# Altium PCB 11BRANMB10H3_20171027.pcbdoc (part 6 of 7) (continued)
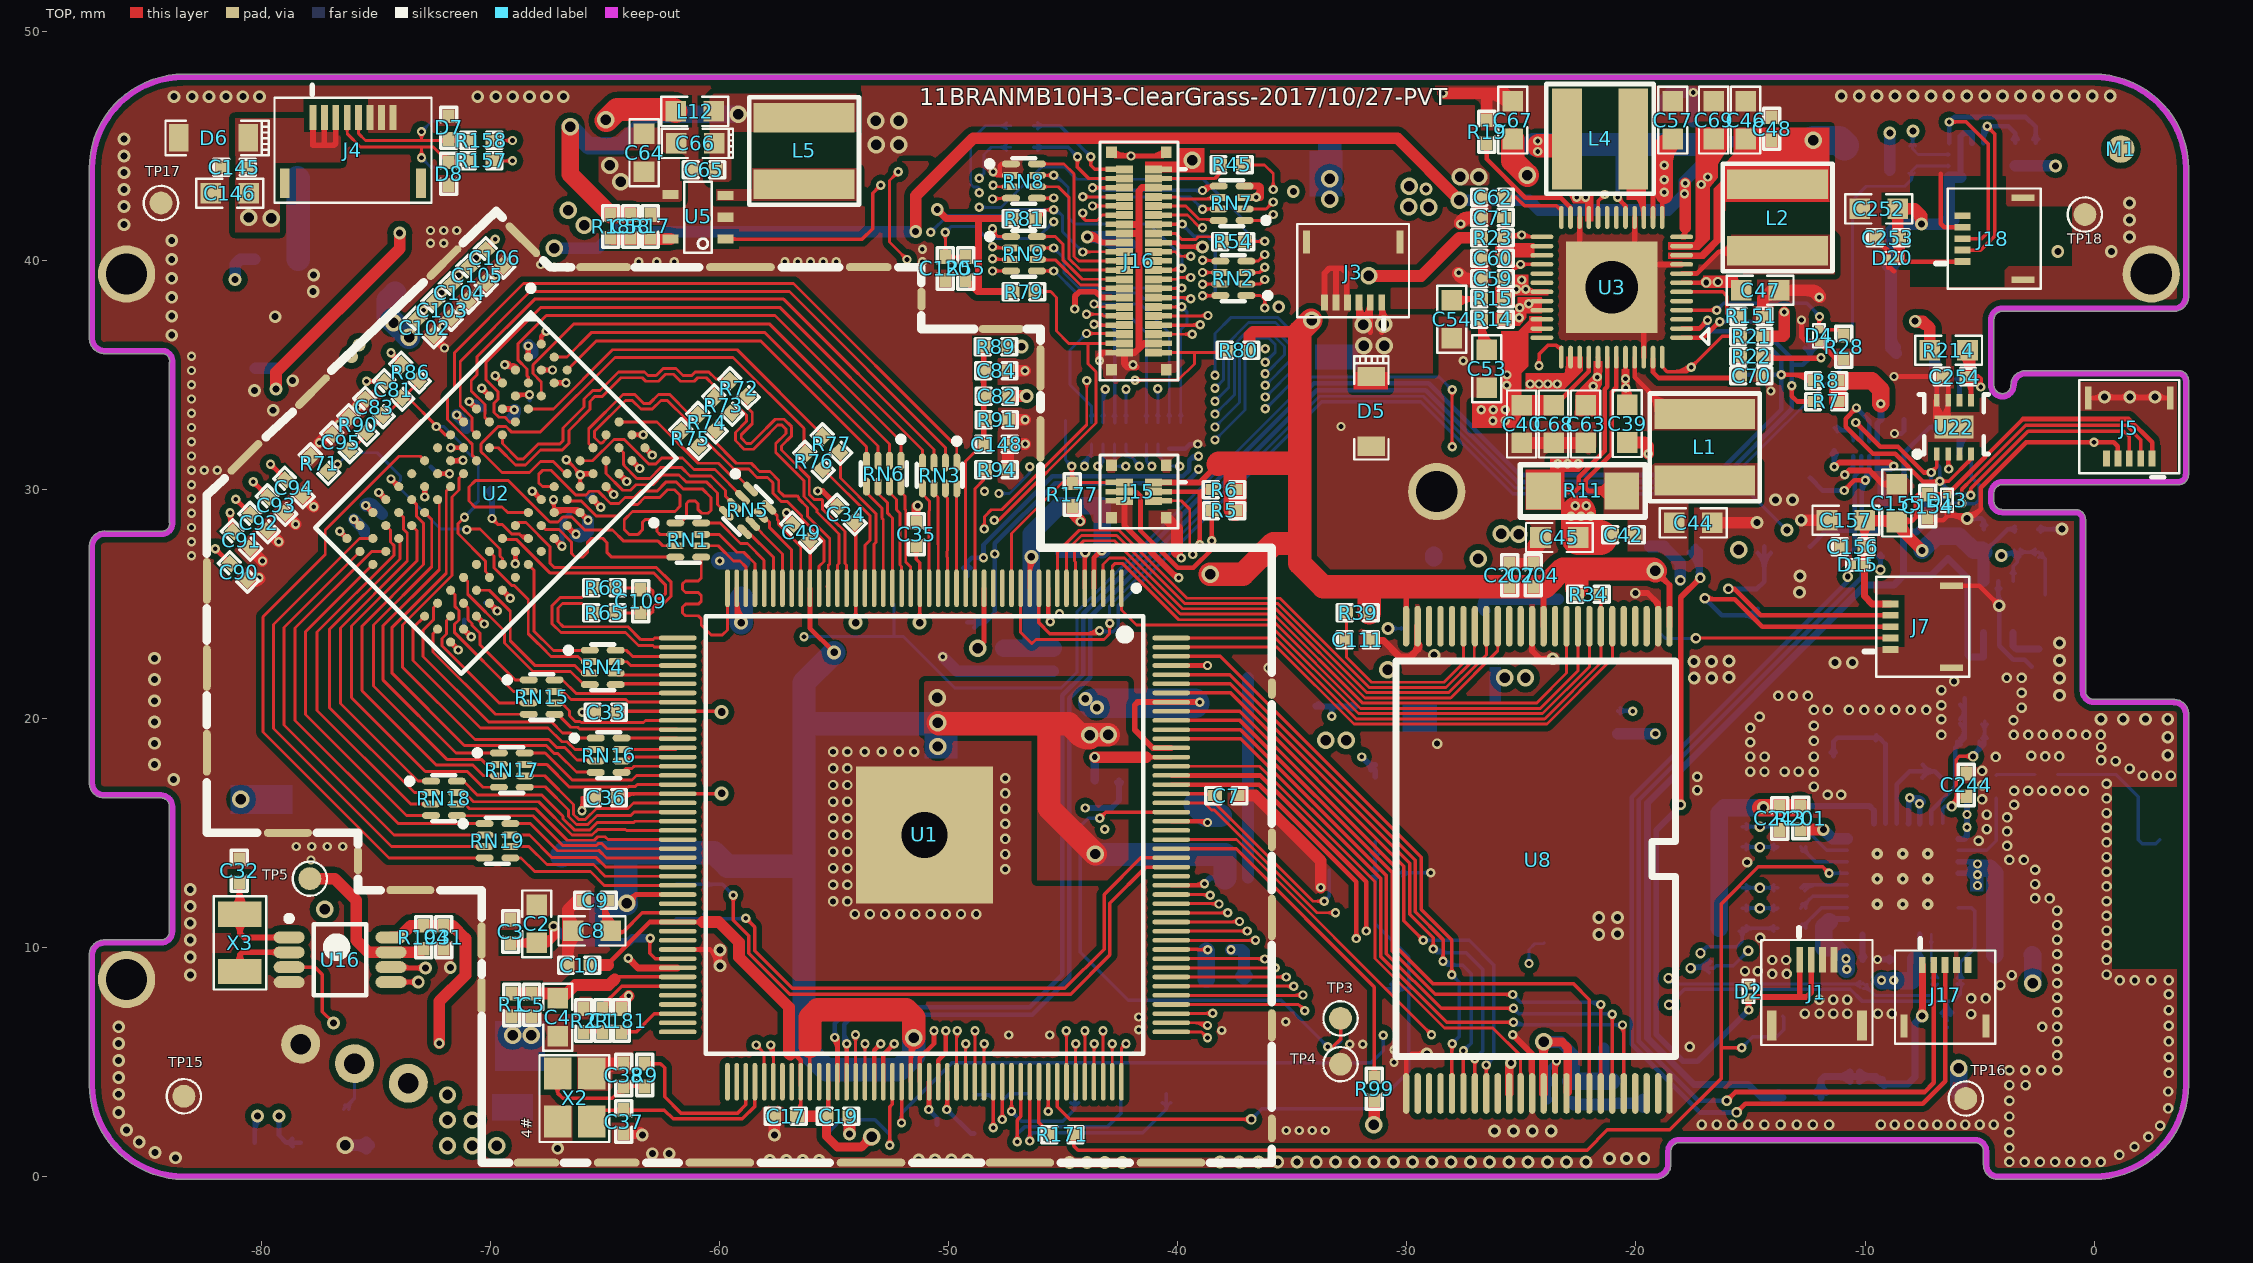
[diagram p0: TOP view]
## Nets (pads, with @x,y where several pads share a name; then routed paths per layer and width w, separated by ;. In a path a pad name is that pad's centre, name@x,y a point inside that pad or via, vN(x,y) a via of type N, cw(c..) or ccw(c..) an arc to the next point about the centre after c; other vN are vias at no path point) (continued)
TWI1-SDA: J15.4 R5.2 TP29.1 U1.106 U16.5 | length 87
  TOP w0.127: J15.4@-42.925,29.9 J15.4@-42.335,29.9 ; J15.4@-42.78,29.86 cw(c-42.684,29.764) -42.684,29.9 cw(c-42.684,30.036) J15.4@-42.78,29.94
  TOP w0.203: U16.5@-74.318,8.524 U16.5@-74.356,8.485 -74.355,8.484 v3(-73.164,8.484) ; U16.5@-73.829,8.373 cw(c-73.563,8.107) -73.563,8.484 ; U16.5@-73.829,8.597 ccw(c-73.555,8.872) -73.555,8.484 ; v3@-73.29,8.358 ccw(c-73.593,8.054) -73.593,8.484 ccw(c-73.593,8.913) v3@-73.29,8.609 ; U1.106@-52.865,4.133 -52.865,5.32 v1(-52.386,5.799) ; v1@-52.488,5.799 cw(c-52.733,5.799) -52.56,5.626 cw(c-52.386,5.452) v1@-52.386,5.697 ; J15.4@-42.335,29.9 -41.818,29.9 -41.633,29.716 -41.633,28.189 -40.013,26.568 -39.321,26.568 -38.518,27.371 v1(-38.518,27.758) -38.518,29.119 R5.2@-38.51,29.127 ; R5.2@-38.636,28.952 cw(c-38.92,28.668) -38.518,28.668 ; v1@-38.59,27.686 cw(c-38.763,27.513) -38.518,27.513 cw(c-38.273,27.513) v1@-38.446,27.686 ; v1@-38.59,27.83 ccw(c-38.763,28.003) -38.518,28.003 ccw(c-38.273,28.003) v1@-38.446,27.83 ; -38.518,28.73 cw(c-38.203,28.73) R5.2@-38.426,28.952
  Singal w0.203: v3(-73.164,8.484) -72.666,8.484 -68.979,4.796 -53.25,4.796 -52.386,5.66 v1(-52.386,5.799) -52.386,7.145 -51.916,7.616 -48.374,7.616 -46.762,9.228 -46.762,21.857 -47.362,22.457 -47.362,26.544 v1(-47.992,27.174) ; v3@-73.038,8.358 cw(c-72.735,8.054) -72.735,8.484 cw(c-72.735,8.913) v3@-73.038,8.609 ; -52.658,5.388 ccw(c-53.069,5.799) v1@-52.488,5.799 ; v1@-52.458,5.871 ccw(c-52.631,6.044) -52.386,6.044 ccw(c-52.141,6.044) v1@-52.314,5.871 ; v1@-47.992,27.072 cw(c-47.992,26.827) -47.819,27 cw(c-47.645,27.174) v1@-47.89,27.174 ; v1(-39.102,30.882) -38.67,30.882 -38.518,30.73 v1(-38.518,27.758) ; v1@-39.03,30.81 cw(c-38.857,30.637) -38.857,30.882 cw(c-38.857,31.127) v1@-39.03,30.954 ; v1@-38.59,27.83 ccw(c-38.763,28.003) -38.518,28.003 ccw(c-38.273,28.003) v1@-38.446,27.83
  BOTTOM w0.203: TP29.1@-49.2,24.2 -48.405,24.2 ; TP29.1@-48.881,23.962 cw(c-48.405,23.606) -48.405,24.2 ; TP29.1@-48.881,24.438 ccw(c-48.405,24.794) -48.405,24.2 ; v1@-48.064,27.102 cw(c-48.237,26.928) -47.992,26.928 cw(c-47.747,26.928) v1@-47.92,27.102 ; v1@-48.064,27.245 ccw(c-48.237,27.419) -47.992,27.419 ccw(c-47.747,27.419) v1@-47.92,27.245 ; v1(-39.102,30.882) -39.102,30.816 -39.652,30.266 -45.361,30.266 -47.992,27.636 v1(-47.992,27.174) -47.992,24.613 -48.405,24.2
TWI2-SCK: J5.3 J7.3 J18.3 R4.2 TP35.1 U1.161 U10.1 U20.7 U21.4 U22.4 | length 129.9
  TOP w0.152: v1@-10.502,33.553 cw(c-10.809,33.553) -10.592,33.337 cw(c-10.375,33.12) v1@-10.375,33.426 ; v1@-6.821,30.263 ccw(c-7.038,30.046) -7.038,30.353 ccw(c-7.038,30.66) v1@-6.821,30.443 ; v1(-6.731,30.353) -6.341,30.353 -5.371,31.322 U22.4@-5.371,31.54 ; v1(-6.324,46.037) -5.575,46.037 -4.609,45.071 -4.609,41.245 -4.912,40.942 J18.3@-5.752,40.942 ; -5.477,31.179 cw(c-5.208,31.107) U22.4@-5.347,31.348 ; v1(-5.385,29.743) -5.385,30.034 ; J5.3@1.538,31.339 1.538,32.295 1.295,32.537 -2.881,32.537 -5.21,30.209 -5.385,30.034 ; -6.424,30.353 cw(c-6.424,30.66) -6.641,30.443 ccw(c-6.424,30.66) -6.424,30.353 ; -6.424,30.353 ccw(c-6.424,30.046) -6.641,30.263 cw(c-6.424,30.046) -6.424,30.353 ; -6.017,46.037 cw(c-6.017,46.344) -6.234,46.127 ccw(c-6.017,46.344) -6.017,46.037 ; -6.017,46.037 ccw(c-6.017,45.731) -6.234,45.947 cw(c-6.017,45.731) -6.017,46.037 ; -5.385,30.034 cw(c-5.654,30.034) -5.471,29.837 ccw(c-5.654,30.034) -5.385,30.034 ; -5.385,30.034 ccw(c-5.116,30.034) -5.299,29.837 cw(c-5.116,30.034) -5.385,30.034 ; -5.374,40.942 cw(c-5.374,41.12) -5.5,40.994 ccw(c-5.374,41.12) -5.374,40.942 ; -5.374,40.942 ccw(c-5.374,40.764) -5.5,40.89 cw(c-5.374,40.764) -5.374,40.942 ; 1.538,31.718 cw(c1.359,31.718) 1.485,31.592 ccw(c1.359,31.718) 1.538,31.718 ; 1.538,31.718 ccw(c1.716,31.718) 1.59,31.592 cw(c1.716,31.718) 1.538,31.718 ; -5.503,31.191 ccw(c-5.702,31.39) -5.42,31.39 cw(c-5.702,31.39) -5.503,31.191
  TOP w0.203: U1.161@-40.29,17.508 -36.416,17.508 -31.776,12.868 v1(-31.776,10.715) ; v2(-16.993,25.243) -16.955,25.205 -15.688,25.205 -14.483,24 J7.3@-8.88,24 ; v1@-10.477,33.553 cw(c-10.722,33.553) -10.549,33.38 cw(c-10.375,33.206) v1@-10.375,33.452 ; v1(-10.375,33.553) -10.846,33.083 -10.846,32.741 -9.652,31.547 -8.687,31.547 -7.468,30.328 -6.756,30.328 v1(-6.731,30.353) ; -7.038,30.328 ccw(c-7.038,30.66) v1@-6.803,30.425 ; -31.776,10.96 cw(c-32.021,10.96) -31.848,10.786 ccw(c-32.021,10.96) -31.776,10.96 ; -31.776,10.96 ccw(c-31.531,10.96) -31.704,10.786 cw(c-31.531,10.96) -31.776,10.96 ; v2@-16.903,25.333 ccw(c-16.594,25.642) -16.594,25.205 cw(c-16.594,25.642) v2@-16.903,25.333
  Singal w0.203: v1(-31.776,10.715) -30.964,10.715 -29.872,11.807 -27,11.807 -21.641,17.165 -21.641,21.448 -18.578,24.511 -17.725,24.511 v2(-16.993,25.243) -16.671,25.565 -16.671,29.315 -13.453,32.533 -11.395,32.533 v1(-10.375,33.553) -10.045,33.884 -10.045,42.316 v1(-6.324,46.037) ; -31.531,10.715 cw(c-31.531,10.96) -31.704,10.786 ccw(c-31.531,10.96) -31.531,10.715 ; -31.531,10.715 ccw(c-31.531,10.469) -31.704,10.643 cw(c-31.531,10.469) -31.531,10.715 ; -17.21,25.027 cw(c-16.993,24.81) -16.993,25.116 ccw(c-16.993,24.81) -17.21,25.027 ; -17.21,25.027 ccw(c-17.427,25.243) -17.12,25.243 cw(c-17.427,25.243) -17.21,25.027 ; -16.776,25.46 cw(c-16.993,25.677) -16.993,25.37 ccw(c-16.993,25.677) -16.776,25.46 ; -16.776,25.46 ccw(c-16.559,25.243) -16.866,25.243 cw(c-16.559,25.243) -16.776,25.46 ; -10.548,33.38 cw(c-10.375,33.207) -10.375,33.452 ccw(c-10.375,33.207) -10.548,33.38 ; -10.548,33.38 ccw(c-10.722,33.553) -10.477,33.553 cw(c-10.722,33.553) -10.548,33.38 ; -10.202,33.727 cw(c-10.375,33.9) -10.375,33.655 ccw(c-10.375,33.9) -10.202,33.727 ; -10.202,33.727 ccw(c-10.028,33.553) -10.273,33.553 cw(c-10.028,33.553) -10.202,33.727 ; -6.497,45.864 cw(c-6.324,45.69) -6.324,45.936 ccw(c-6.324,45.69) -6.497,45.864 ; -6.497,45.864 ccw(c-6.671,46.037) -6.426,46.037 cw(c-6.671,46.037) -6.497,45.864
  BOTTOM w0.152: U21.4@-6.871,31.54 -6.871,31.113 -6.731,30.972 v1(-6.731,30.353) -6.172,29.794 -5.41,29.794 -5.385,29.769 v1(-5.385,29.743) ; -6.731,30.66 cw(c-7.038,30.66) -6.821,30.443 ccw(c-7.038,30.66) -6.731,30.66 ; -6.731,30.66 ccw(c-6.424,30.66) -6.641,30.443 cw(c-6.424,30.66) -6.731,30.66 ; -6.514,30.136 cw(c-6.297,30.353) -6.604,30.353 ccw(c-6.297,30.353) -6.514,30.136 ; -6.514,30.136 ccw(c-6.731,29.919) -6.731,30.226 cw(c-6.731,29.919) -6.514,30.136 ; -5.814,29.794 cw(c-5.814,29.314) -5.475,29.654 ccw(c-5.814,29.314) -5.814,29.794
  BOTTOM w0.203: v2(-16.993,25.243) -16.25,24.5 TP35.1@-14.4,24.5 ; TP35.1@-14.682,24.218 ccw(c-15.362,23.538) -15.362,24.5 ccw(c-15.362,25.462) TP35.1@-14.682,24.782 ; v1(-10.375,33.553) -9.819,32.997 U20.7@-9.819,32.11 ; U10.1@-6.324,45.119 v1(-6.324,46.037) -6.108,46.253 -2.983,46.253 -2.551,45.822 R4.2@-2.551,45.123 ; -16.776,25.027 cw(c-16.559,25.243) -16.866,25.243 ccw(c-16.559,25.243) -16.776,25.027 ; -16.776,25.027 ccw(c-16.993,24.81) -16.993,25.116 cw(c-16.993,24.81) -16.776,25.027 ; -10.202,33.38 cw(c-10.028,33.553) -10.273,33.553 ccw(c-10.028,33.553) -10.202,33.38 ; -10.202,33.38 ccw(c-10.375,33.207) -10.375,33.452 cw(c-10.375,33.207) -10.202,33.38 ; -6.324,45.792 cw(c-6.079,45.792) -6.252,45.965 ccw(c-6.079,45.792) -6.324,45.792 ; -6.324,45.792 ccw(c-6.569,45.792) -6.396,45.965 cw(c-6.569,45.792) -6.324,45.792 ; -6.151,46.211 cw(c-6.324,46.384) -6.324,46.139 ccw(c-6.324,46.384) -6.151,46.211 ; -6.151,46.211 ccw(c-5.977,46.037) -6.222,46.037 cw(c-5.977,46.037) -6.151,46.211 ; -2.551,45.532 cw(c-2.91,45.532) -2.656,45.278 ccw(c-2.91,45.532) -2.551,45.532 ; -2.551,45.532 ccw(c-2.193,45.532) -2.446,45.278 cw(c-2.193,45.532) -2.551,45.532
TWI2-SDA: J5.2 J7.4 J18.2 R3.2 TP36.1 U1.160 U10.4 U20.6 U21.1 U22.1 | length 135.8
  TOP w0.152: J7.4@-8.88,24.5 J7.4@-8.865,24.486 ; v1@-7.202,30.644 ccw(c-7.419,30.427) -7.419,30.734 ccw(c-7.419,31.041) v1@-7.202,30.824 ; v1(-7.112,30.734) -6.871,30.975 U22.1@-6.871,31.54 ; v1(-5.766,29.388) -5.766,30.012 -5.315,30.463 -2.987,32.791 1.401,32.791 2.038,32.154 J5.2@2.038,31.339 ; J18.2@-5.752,40.442 -4.958,40.442 -4.346,41.054 -4.346,45.521 v1@-4.672,45.847 ; v1@-4.654,45.872 cw(c-4.703,45.667) -4.499,45.721 ; -6.895,30.951 cw(c-7.112,31.168) -7.112,30.861 ccw(c-7.112,31.168) -6.895,30.951 ; -6.895,30.951 ccw(c-6.678,30.734) -6.985,30.734 cw(c-6.678,30.734) -6.895,30.951 ; -5.766,29.694 cw(c-6.072,29.694) -5.856,29.478 ccw(c-6.072,29.694) -5.766,29.694 ; -5.766,29.694 ccw(c-5.459,29.694) -5.676,29.478 cw(c-5.459,29.694) -5.766,29.694 ; -5.374,40.442 cw(c-5.374,40.62) -5.5,40.494 ccw(c-5.374,40.62) -5.374,40.442 ; -5.374,40.442 ccw(c-5.374,40.264) -5.5,40.39 cw(c-5.374,40.264) -5.374,40.442 ; 2.038,31.718 cw(c1.859,31.718) 1.985,31.592 ccw(c1.859,31.718) 2.038,31.718 ; 2.038,31.718 ccw(c2.216,31.718) 2.09,31.592 cw(c2.216,31.718) 2.038,31.718 ; v1@-4.66,45.72 cw(c-4.66,45.441) -4.463,45.638 ccw(c-4.66,45.441) v1@-4.66,45.72 ; v1@-4.533,45.847 ccw(c-4.198,45.847) -4.435,45.61 cw(c-4.198,45.847) v1@-4.533,45.847
  TOP w0.203: U1.160@-40.29,17.108 -36.447,17.108 -32.208,12.869 v1(-32.208,10.384) ; v2(-15.963,25.65) -15.701,25.65 ; v1@-10.4,32.817 cw(c-10.4,32.571) -10.227,32.745 cw(c-10.053,32.918) v1@-10.299,32.918 ; v1(-10.4,32.918) -9.334,31.852 -8.56,31.852 -7.442,30.734 v1(-7.112,30.734) ; J7.4@-8.88,24.5 -14.552,24.5 -15.701,25.65 ; v1@-7.184,30.662 ccw(c-7.358,30.488) -7.358,30.734 ccw(c-7.358,30.98) v1@-7.184,30.806 ; -32.208,10.63 cw(c-32.453,10.63) -32.279,10.456 ccw(c-32.453,10.63) -32.208,10.63 ; -32.208,10.63 ccw(c-31.962,10.63) -32.136,10.456 cw(c-31.962,10.63) -32.208,10.63 ; -15.701,25.65 cw(c-15.701,25.856) -15.863,25.728 ccw(c-15.701,25.856) -15.701,25.65 ; -15.701,25.65 ccw(c-15.701,25.444) -15.863,25.571 cw(c-15.701,25.444) -15.701,25.65
  Singal w0.127: -26.871,11.45 -21.311,17.01 -21.311,17.533
  Singal w0.203: v1(-32.208,10.384) -32.131,10.308 -30.939,10.308 -29.759,11.488 -26.887,11.488 -21.336,17.039 -21.336,21.322 -18.452,24.206 -17.42,24.206 -16.928,24.698 ; -16.617,25.009 -16.928,24.698 ; v2(-15.963,25.65) -16.366,25.65 ; v1(-4.66,45.847) -5.854,45.847 -6.171,45.529 -6.401,45.529 -9.74,42.19 -9.74,33.579 v1(-10.4,32.918) -11.091,32.228 -13.326,32.228 -16.366,29.188 -16.366,25.65 ; -16.928,24.698 -16.928,24.685 -16.366,25.246 -16.366,25.65 ; -16.269,25.65 cw(c-16.269,25.343) -16.052,25.56 ccw(c-16.269,25.343) -16.269,25.65 ; -16.269,25.65 ccw(c-16.269,25.956) -16.052,25.739 cw(c-16.269,25.956) -16.269,25.65 ; -10.574,32.745 cw(c-10.4,32.572) -10.4,32.817 ccw(c-10.4,32.572) -10.574,32.745 ; -10.574,32.745 ccw(c-10.747,32.918) -10.502,32.918 cw(c-10.747,32.918) -10.574,32.745 ; -10.227,33.092 cw(c-10.4,33.265) -10.4,33.02 ccw(c-10.4,33.265) -10.227,33.092 ; -10.227,33.092 ccw(c-10.054,32.918) -10.299,32.918 cw(c-10.054,32.918) -10.227,33.092 ; -4.905,45.847 cw(c-4.905,45.602) -4.732,45.775 ccw(c-4.905,45.602) -4.905,45.847 ; -4.905,45.847 ccw(c-4.905,46.092) -4.732,45.919 cw(c-4.905,46.092) -4.905,45.847 ; v1@-32.136,10.456 ccw(c-31.778,10.814) -31.778,10.308 cw(c-31.778,10.814) v1@-32.136,10.456
  BOTTOM w0.152: v1(-7.112,30.734) -7.137,30.709 -7.137,30.134 -6.391,29.388 v1(-5.766,29.388) -5.74,29.362 -5.182,29.362 -5.004,29.54 -5.004,30.175 -5.371,30.543 U21.1@-5.371,31.54 U21.1@-5.371,31.687 ; -6.072,29.388 cw(c-6.072,29.081) -5.856,29.298 ccw(c-6.072,29.081) -6.072,29.388 ; -6.072,29.388 ccw(c-6.072,29.694) -5.856,29.478 cw(c-6.072,29.694) -6.072,29.388 ; v1@-7.202,30.644 cw(c-7.357,30.489) -7.137,30.489 ccw(c-7.357,30.489) v1@-7.202,30.644 ; -7.137,30.366 cw(c-6.744,30.366) -7.022,30.644 ccw(c-6.744,30.366) -7.137,30.366 ; v1@-5.676,29.298 cw(c-5.521,29.143) -5.521,29.362 ccw(c-5.521,29.143) v1@-5.676,29.298 ; v1@-5.676,29.478 ccw(c-5.398,29.756) -5.398,29.362 cw(c-5.398,29.756) v1@-5.676,29.478
  BOTTOM w0.203: v2(-15.963,25.65) -14.723,25.65 -14.4,25.972 TP36.1@-14.4,27.5 ; TP36.1@-14.682,27.218 cw(c-15.362,26.538) -14.4,26.538 cw(c-13.438,26.538) TP36.1@-14.118,27.218 ; v1(-10.4,32.918) -10.169,32.687 U20.6@-10.169,32.11 ; U10.4@-4.824,45.119 -4.824,45.695 -4.672,45.847 v1(-4.66,45.847) -3.746,45.847 -3.44,45.542 R3.2@-3.44,45.123 ; U10.4@-4.824,45.206 cw(c-4.019,45.206) v1@-4.588,45.775 ; -4.824,45.696 cw(c-4.509,45.696) v1@-4.732,45.919 ; -15.656,25.65 cw(c-15.656,25.956) -15.873,25.739 ccw(c-15.656,25.956) -15.656,25.65 ; -15.656,25.65 ccw(c-15.656,25.343) -15.873,25.56 cw(c-15.656,25.343) -15.656,25.65 ; -10.227,32.745 cw(c-10.054,32.918) -10.299,32.918 ccw(c-10.054,32.918) -10.227,32.745 ; -10.227,32.745 ccw(c-10.4,32.572) -10.4,32.817 cw(c-10.4,32.572) -10.227,32.745 ; v1@-4.588,45.775 cw(c-4.415,45.602) -4.415,45.847 ; v1@-4.588,45.775 cw(c-4.415,45.602) -4.415,45.847 ; -4.415,45.847 cw(c-4.415,46.092) -4.588,45.919 ccw(c-4.415,46.092) -4.415,45.847 ; -3.44,45.532 cw(c-3.799,45.532) -3.545,45.278 ccw(c-3.799,45.532) -3.44,45.532 ; -3.44,45.532 ccw(c-3.082,45.532) -3.335,45.278 cw(c-3.082,45.532) -3.44,45.532
UART0_RX: TP55.1 U1.112 | length 43.6
  TOP w0.203: U1.112@-50.465,4.133 -50.465,5.064 -50.14,5.389 v1(-50.14,6.358) ; v1@-50.212,6.286 cw(c-50.385,6.113) -50.14,6.113 cw(c-49.895,6.113) v1@-50.068,6.286
  Singal w0.203: v3@-79.424,2.641 ccw(c-79.854,2.641) -79.55,2.945 ccw(c-79.247,3.248) v3@-79.247,2.819 ; v3(-79.247,2.641) -79.882,3.276 -79.882,6.406 -79.066,7.221 -72.266,7.221 -69.231,4.187 -51.842,4.187 -50.14,5.889 v1(-50.14,6.358) ; v1@-50.212,6.286 cw(c-50.385,6.113) -50.14,6.113 cw(c-49.895,6.113) v1@-50.068,6.286
  BOTTOM w0.203: v3@-79.372,2.516 cw(c-79.676,2.212) -79.247,2.212 cw(c-78.817,2.212) v3@-79.121,2.516 ; v3(-79.247,2.641) -79.247,1.803 -78.921,1.477 ; TP55.1@-78.67,1.647 cw(c-78.921,1.747) -78.921,1.477 ; TP55.1@-78.653,1.315 ccw(c-78.921,1.175) -78.921,1.477 ; TP55.1@-78.3,1.477 -78.921,1.477
UART0_TX: TP54.1 U1.110 | length 42
  TOP w0.203: U1.110@-51.265,4.133 -51.265,5.182 -50.648,5.799 v1(-50.648,6.358) ; v1@-50.72,6.286 cw(c-50.893,6.113) -50.648,6.113 cw(c-50.403,6.113) v1@-50.576,6.286
  Singal w0.203: v3@-80.312,2.767 ccw(c-80.616,3.071) -80.186,3.071 ccw(c-79.757,3.071) v3@-80.061,2.767 ; v3(-80.186,2.641) -80.186,6.532 -79.192,7.526 -72.14,7.526 -69.105,4.491 -51.968,4.491 -50.648,5.812 v1(-50.648,6.358) ; v1@-50.72,6.286 cw(c-50.893,6.113) -50.648,6.113 cw(c-50.403,6.113) v1@-50.576,6.286
  BOTTOM w0.203: TP54.1@-80.3,1.477 TP54.1@-80.3,1.5 -80.3,2.528 v3(-80.186,2.641) ; TP54.1@-80.3,1.938 cw(c-79.483,1.938) v3@-80.061,2.516
UBOOT: TP3.1 TP57.1 U1.157 | length 27.2
  TOP w0.152: v1(-43.409,15.642) -43.143,15.908 U1.157@-40.29,15.908 ; v1@-43.409,15.769 ccw(c-43.409,16.076) -43.192,15.859 ccw(c-42.975,15.642) v1@-43.282,15.642 ; -33.231,5.655 -32.9,5.986 TP3.1@-32.9,6.9
  BOTTOM w0.152: v1@-43.499,15.552 ccw(c-43.716,15.335) -43.716,15.642 ccw(c-43.716,15.949) v1@-43.499,15.732 ; v1(-43.409,15.642) -43.917,15.642 -44.263,15.296 -44.263,9.784 -42.176,7.696 -35.496,7.696 v1(-33.464,5.664) -33.145,5.664 -32.9,5.91 TP57.1@-32.9,6.877 ; v1@-33.591,5.664 ccw(c-33.897,5.664) -33.68,5.881 ccw(c-33.464,6.098) v1@-33.464,5.791 ; v1@-33.374,5.574 cw(c-33.157,5.358) -33.157,5.664 cw(c-33.157,5.971) v1@-33.374,5.754
USB0-DM: R157.2 U1.93 | length 51.9
  TOP w0.127: R157.2@-69.92,44.342 v1(-69.049,44.342) ; R157.2@-69.738,44.21 cw(c-69.42,43.892) -69.42,44.342 cw(c-69.42,44.792) R157.2@-69.738,44.474 ; v1@-69.147,44.243 ccw(c-69.386,44.005) -69.386,44.342 ccw(c-69.386,44.679) v1@-69.147,44.441 ; v1@-58.411,5.596 cw(c-58.411,5.259) -58.173,5.498 cw(c-57.934,5.736) v1@-58.271,5.736 ; v1(-58.411,5.736) -58.065,5.39 U1.93@-58.065,4.133
  Singal w0.127: v1(-69.049,44.342) -68.642,44.748 -64.096,44.748 -61.23,41.883 -61.23,24.202 -58.411,21.382 v1(-58.411,5.736) ; v1@-69.049,44.482 ccw(c-69.049,44.819) -68.81,44.58 ccw(c-68.572,44.342) v1@-68.909,44.342 ; v1@-58.51,5.835 ccw(c-58.748,6.073) -58.411,6.073 ccw(c-58.074,6.073) v1@-58.312,5.835
USB0-DP: R158.2 U1.94 | length 52.7
  TOP w0.127: R158.2@-69.92,45.231 v1(-69.049,45.231) ; R158.2@-69.738,45.099 cw(c-69.42,44.781) -69.42,45.231 cw(c-69.42,45.681) R158.2@-69.738,45.363 ; v1@-69.147,45.132 ccw(c-69.386,44.894) -69.386,45.231 ccw(c-69.386,45.568) v1@-69.147,45.33 ; v1@-57.875,5.637 cw(c-58.382,5.13) -57.665,5.13 ; v1@-57.785,5.727 cw(c-58.075,5.437) -57.665,5.437 ; v1(-57.776,5.736) -57.665,5.625 U1.94@-57.665,4.133
  Singal w0.127: v1@-69.049,45.091 cw(c-69.049,44.754) -68.81,44.992 cw(c-68.572,45.231) v1@-68.909,45.231 ; v1(-69.049,45.231) -68.795,44.977 -63.969,44.977 -61.002,42.01 -61.002,24.296 -58.182,21.477 -58.182,6.142 v1(-57.776,5.736) ; v1@-57.916,5.736 ccw(c-58.253,5.736) -58.014,5.974 ccw(c-57.776,6.213) v1@-57.776,5.876
USB0-IDET: R99.1 U1.153 | length 16
  TOP w0.152: U1.153@-40.29,14.308 -37.459,14.308 -31.42,8.269 R99.1@-31.42,4.331 ; R99.1@-31.543,4.504 ccw(c-31.84,4.801) -31.42,4.801 ccw(c-31.001,4.801) R99.1@-31.297,4.504
USBVBUS: C145.2 C146.2 D6.1 J4.1 J4.2 J4.3 R15.1 TP33.1 U3.31 | length 63.1
  TOP w0.203: R15.1@-25.764,38.311 v1@-25.256,38.819 ; R15.1@-25.714,38.459 ccw(c-25.714,38.697) R15.1@-25.546,38.529 ; R15.1@-25.598,38.477 cw(c-25.221,38.1) v1@-25.221,38.633 ; R15.1@-25.566,38.311 cw(c-25.087,38.311) -25.425,38.65 ; v1@-25.28,38.818 cw(c-25.126,38.601) v1@-24.938,38.789 ; v1@-25.162,38.652 cw(c-24.984,38.402) v1@-24.768,38.619 ; v1@-25.127,38.695 cw(c-24.94,38.616) v1@-24.94,38.819 ; -25.049,38.854 ccw(c-24.923,39.073) v1@-24.845,38.832 ; -25.003,38.827 cw(c-25.101,38.658) v1@-24.913,38.709 ; v1@-24.887,38.664 ccw(c-25.256,38.303) v1@-25.256,38.819 ; v1@-24.743,38.807 ccw(c-24.29,39.26) U3.31@-24.29,38.619 ; U3.31@-24.107,38.619 v1@-24.768,38.619 ; v1@-25.256,38.819 v1@-24.94,38.819 ; v1@-24.94,38.819 -24.94,38.791 v1@-24.768,38.619
  TOP w0.254: J4.1@-77.768,46.23 -77.768,45.02 -76.854,45.02 -76.768,45.106 J4.3@-76.768,46.23 ; -77.268,45.063 J4.2@-77.268,46.23
  Singal w1.524: v4@-80.352,41.954 -78.752,41.954 -77.431,43.275 -67.315,43.275 v4@-65.823,41.783
  POWER w1.524: v4@-66.56,42.139 -65.664,41.243 -53.104,41.243 -48.729,45.618 -34.581,45.618 -33.362,44.399 v4(-33.362,42.672)
  other v1: -25.221,38.735 -24.814,38.735 -24.992,39.141
  other v4: -65.925,41.529 -79.59,41.829 -80.569,41.867 -66.626,42.178 -33.375,43.561
VCC-5V: C158.2 C159.1 C226.1 C228.1 D14.1 J6.1 R189.2 TP34.1 U15.5 | length 44.3
  POWER w1.016: v4(-69.049,6.172) -69.024,6.147 v4@-68.236,6.147 ; v4(-68.236,6.172) -67.589,6.82 -60.654,6.82 -57.06,10.414 -46.515,10.414 -44.857,12.072 -44.857,16.423 -43.809,17.471 -41.769,17.471 -40.241,18.999 v4@-32.621,18.999
  other v4: -33.536,19.05 -32.647,19.05
VCC-WIFI-3V3: C174.1 C175.1 C176.1 C243.2 C246.1 C247.1 C250.1 R176.2 R179.1 R200.1 R201.1 R204.2 R205.2 R206.2 R207.2 R208.2 U7.1 U7.3 U7.4 U7.11 U7.17 U7.29 U7.30 | length 35.3
  TOP w0.762: v3@-14.553,16.103 -14.44,16.103 -13.73,16.103 -12.856,16.103 R201.1@-12.813,16.146 R201.1@-12.847,16.18
  BOTTOM w0.254: -11.569,11.125 -11.457,11.237 U7.17@-10.782,11.237 ; U7.29@-8.107,15.412 -8.089,15.431 v1@-8.089,16.529 ; -8.089,16.259 cw(c-7.78,16.259) v1@-7.998,16.477 ; v1@-8.03,16.458 cw(c-7.907,16.052) v1@-7.607,16.352 ; C246.1@-7.954,9.433 -7.995,9.474 -7.892,9.578 -7.607,9.863 ; -7.726,16.529 cw(c-7.726,16.239) v1@-7.453,16.338 ; v1@-7.696,16.284 ccw(c-7.999,16.314) -7.784,16.529 ; v1@-7.692,16.251 ccw(c-8.089,16.107) v1@-8.089,16.529 ; v1@-7.674,16.223 cw(c-7.837,16.061) -7.607,16.061 ; C246.1@-7.637,9.544 cw(c-7.43,9.685) -7.607,9.863 ; U7.11@-7.607,10.562 -7.607,9.863 ; U7.30@-7.607,15.412 -7.607,16.277 v1@-7.607,16.352 ; U7.4@-5.932,13.237 -5.317,13.237 ; U7.3@-5.932,13.737 -5.367,13.737 ; U7.1@-5.932,14.737 -5.671,14.737 -5.545,14.863 -5.549,14.867 -5.549,15.24 -5.549,15.799 C175.1@-5.549,16.62 ; U7.1@-5.656,14.736 ccw(c-5.913,14.993) -5.549,14.993 ; C175.1@-5.636,16.483 cw(c-5.846,16.273) -5.549,16.273 cw(c-5.252,16.273) C175.1@-5.462,16.483 ; -5.507,13.737 cw(c-5.507,13.22) v1@-5.141,13.586 ; -5.435,13.237 cw(c-5.435,12.823) v1@-5.141,13.116 ; v1@-5.163,13.176 ccw(c-5.865,13.239) -5.367,13.737 ; v1@-5.164,13.636 cw(c-5.687,13.608) -5.317,13.237 ; v1@-5.156,13.137 ccw(c-5.317,13.059) -5.317,13.237 ; v1@-5.156,13.606 ccw(c-5.367,13.502) -5.367,13.737 ; v1@-5.126,13.706 cw(c-5.226,13.878) -5.367,13.737 ; -4.983,13.353 cw(c-5.16,13.176) v1@-4.911,13.154 ; v1@-8.089,16.529 -8.052,16.529 -7.784,16.529 ; -7.784,16.529 v1@-7.607,16.352 ; -5.367,13.737 -5.179,13.549 -5.092,13.462 -5.236,13.318 -5.317,13.237
  BOTTOM w0.762: R208.2@-16.362,10.828 R207.2@-16.362,11.717 R179.1@-16.361,12.606 R206.2@-16.362,14.384 R205.2@-16.362,15.273 -16.362,15.883 -16.152,16.092 -14.44,16.092 -13.747,16.092 R204.2@-13.68,16.159 ; C250.1@-11.797,10.055 cw(c-11.797,8.953) -11.018,9.732 ; -11.569,11.125 -11.797,10.897 C250.1@-11.797,9.974 -11.26,9.974 -10.828,9.543 v1(-10.828,9.499) v1@-10.828,9.042 ; v1@-9.257,8.534 -8.749,8.534 R200.1@-7.954,8.534 -7.788,8.7 C246.1@-7.788,9.474 ; v1@-5.213,13.295 cw(c-4.811,12.893) -4.811,13.462 ; v1@-5.092,13.462 -5.088,13.462 -4.558,13.462 -4.343,13.246 -4.343,13.132 -4.343,12.243 C174.1@-4.343,11.1 R176.2@-4.343,9.677
  other v1: -9.283,8.56 -8.749,8.56 -10.803,9.042 -5.088,12.7 -5.088,13.17 -5.088,13.64 -5.545,15.24 -5.545,15.799 -7.62,16.277 -8.052,16.531
  other v3: -14.44,16.111
VCCA: C242.1 R195.1 R209.2 U20.1 | length 9.8
  TOP w0.254: v1(-11.34,30.988) -11.303,30.988 -11.114,31.177 -8.913,31.177 v1(-8.749,31.013)
  BOTTOM w0.254: R209.2@-11.427,31.545 cw(c-11.637,31.335) -11.34,31.335 cw(c-11.043,31.335) R209.2@-11.253,31.545 ; v1(-11.34,30.988) R209.2@-11.34,31.682 ; U20.1@-9.469,31.44 -9.469,30.886 ; -9.321,29.892 ccw(c-8.625,29.892) R195.1@-9.05,29.341 ; -9.321,30.082 cw(c-8.953,30.082) C242.1@-9.213,30.342 ; C242.1@-9.281,30.531 cw(c-9.039,30.886) -9.469,30.886 ; -9.24,30.886 ccw(c-9.24,31.504) v1@-8.803,31.067 ; R195.1@-9.092,29.312 -9.321,29.54 C242.1@-9.321,30.408 ; R195.1@-8.895,29.542 cw(c-8.227,30.408) C242.1@-9.321,30.408 ; v1(-8.749,31.013) -8.876,30.886 -9.469,30.886 ; -9.469,30.886 -9.469,30.557 C242.1@-9.321,30.408
VINT: C60.1 U3.26 U3.27 | length 3.9
  TOP w0.152: C60.1@-25.764,40.089 -25.634,40.219 -25.121,40.219 ; C60.1@-25.697,40.076 cw(c-25.418,39.876) -25.418,40.219 ; C60.1@-25.573,39.987 cw(c-25.121,39.662) -25.121,40.219 ; U3.27@-24.107,40.219 -25.121,40.219 ; U3.26@-24.107,40.619 -24.972,40.619 -25.121,40.47 -25.121,40.219
VLED+: C116.2 D12.1 J16.18 TP25.1 | length 40.6
  TOP w0.254: v3@-43.995,41.107 cw(c-43.847,40.775) -43.59,41.032 ; v3(-43.953,41.014) -43.572,41.014 -43.328,40.77 ; v3@-43.892,40.875 cw(c-43.686,40.412) -43.328,40.77 ; v3@-43.846,40.907 cw(c-43.585,40.646) -43.585,41.014 cw(c-43.585,41.382) v3@-43.846,41.122 ; J16.18@-42.335,40.77 J16.18@-42.925,40.77 -43.328,40.77
  Singal w0.508: v3(-35.597,37.966) -35.571,37.941 -35.571,36.121 -34.441,34.99 -34.441,24.663 -31.901,22.123 v4(-30.847,22.123)
  POWER w0.508: v3(-43.953,41.014) -43.395,41.014 -42.658,40.278 -42.658,37.23 -41.515,36.087 -39.051,36.087 -38.442,36.696 -36.079,36.696 -35.597,37.179 v3(-35.597,37.966)
  BOTTOM w0.508: -42.797,41.014 cw(c-42.797,40.012) TP25.1@-42.059,40.69 ; TP25.1@-42.498,40.513 ccw(c-43.092,40.513) -42.672,40.933 ccw(c-42.252,41.353) TP25.1@-42.252,40.759 ; TP25.1@-42.433,40.347 ccw(c-43.953,38.95) v3(-43.953,41.014) -42.753,41.014 TP25.1@-42.252,40.513
VLED-: J16.17 R50.2 TP27.1 U9.1 | length 35.2
  TOP w0.203: J16.17@-41.065,40.77 J16.17@-40.475,40.77 -40.07,40.77 -39.895,40.595 -38.937,40.595 v3(-38.924,40.583) ; -39.384,40.595 cw(c-39.384,40.123) v3@-39.05,40.457 ; -39.323,40.595 ccw(c-39.323,40.981) v3@-39.05,40.708
  Singal w0.508: v3(-34.962,43.002) -34.962,36.373 -31.888,33.299 -28.028,33.299 -26.885,32.156 v4(-26.885,26.975) v4@-26.885,26.924
  POWER w0.508: v3(-38.924,40.583) -38.264,41.243 -38.264,42.672 -37.179,43.758 -35.578,43.758 -34.962,43.142 v3(-34.962,43.002) ; -35.105,43.285 cw(c-35.387,43.002) v3@-34.988,43.002
  BOTTOM w0.508: -26.631,25.121 -26.552,25.2 ; R50.2@-26.609,24.703 cw(c-26.267,24.915) -26.552,25.2 ; TP27.1@-23.4,25.2 -26.552,25.2
VOC_1V8: C236.1 R195.2 R196.1 R197.1 R198.2 TP46.1 U19.5 | length 47.4
  BOTTOM w0.305: R198.2@-13.785,3.244 ccw(c-14.293,2.736) -14.293,3.454 ccw(c-14.293,4.173) R198.2@-13.785,3.665 ; R198.2@-13.575,3.454 -14.527,3.454 -15.086,4.013 -17.467,4.013 -19.494,6.04 -19.494,16.312 -9.974,25.832 -8.724,25.832 -8.326,26.23 ; R196.1@-8.419,28.074 cw(c-8.645,27.848) -8.326,27.848 ; R196.1@-8.326,28.118 R197.1@-8.326,27.178 -8.326,26.23 ; R196.1@-8.3,28.143 -7.747,28.143 -7.417,28.473 R195.2@-7.417,29.337 ; R195.2@-7.652,29.076 cw(c-8.219,28.509) -7.417,28.509 ; -7.417,28.627 cw(c-6.782,28.627) R195.2@-7.231,29.076 ; U19.5@-4.829,23.742 -4.829,22.682 -5.436,22.682 -5.512,22.758 -5.512,26.111 TP46.1@-6.375,26.975 -7.12,26.23 -8.326,26.23
VOC_SCL: J17.2 R196.2 TP47.1 U20.2 | length 57.2
  TOP w0.203: v2(-16.039,3.302) -15.658,3.683 -7.403,3.683 -7,4.086 J17.2@-7,9.225 ; v2@-16.039,3.429 ccw(c-16.039,3.736) -15.822,3.519 ccw(c-15.606,3.302) v2@-15.912,3.302 ; v1(-10.904,29.946) -10.461,30.39 v1(-9.983,30.39) ; v1@-10.904,30.048 ccw(c-10.904,30.293) -10.731,30.12 ccw(c-10.557,29.946) v1@-10.803,29.946 ; v1@-10.055,30.318 ccw(c-10.228,30.144) -10.228,30.39 ccw(c-10.228,30.635) v1@-10.055,30.462
  BOTTOM w0.203: v2@-16.129,3.212 ccw(c-16.346,2.995) -16.346,3.302 ccw(c-16.346,3.609) v2@-16.129,3.392 ; v2(-16.039,3.302) -17.284,3.302 -19.875,5.893 -19.875,16.434 -10.146,26.162 -10.146,30.226 v1(-9.983,30.39) -9.819,30.553 U20.2@-9.819,31.44 ; TP47.1@-12.4,30.5 -11.846,29.946 v1(-10.904,29.946) ; v1@-10.976,29.875 ccw(c-11.149,29.701) -11.149,29.946 ccw(c-11.149,30.192) v1@-10.976,30.018 ; -10.146,29.749 cw(c-9.342,29.749) -9.911,30.318 ccw(c-10.133,30.54) -9.819,30.54 ; -10.146,30.24 cw(c-9.833,30.24) -10.055,30.462 ccw(c-10.623,31.03) -9.819,31.03 ; -10.121,28.143 R196.2@-9.3,28.143 ; R196.2@-9.455,28.038 ccw(c-9.708,27.785) -9.708,28.143 ccw(c-9.708,28.501) R196.2@-9.455,28.248